# Altium PCB HAND_MULTILAYER.PcbDoc (part 1 of 3) (continued)
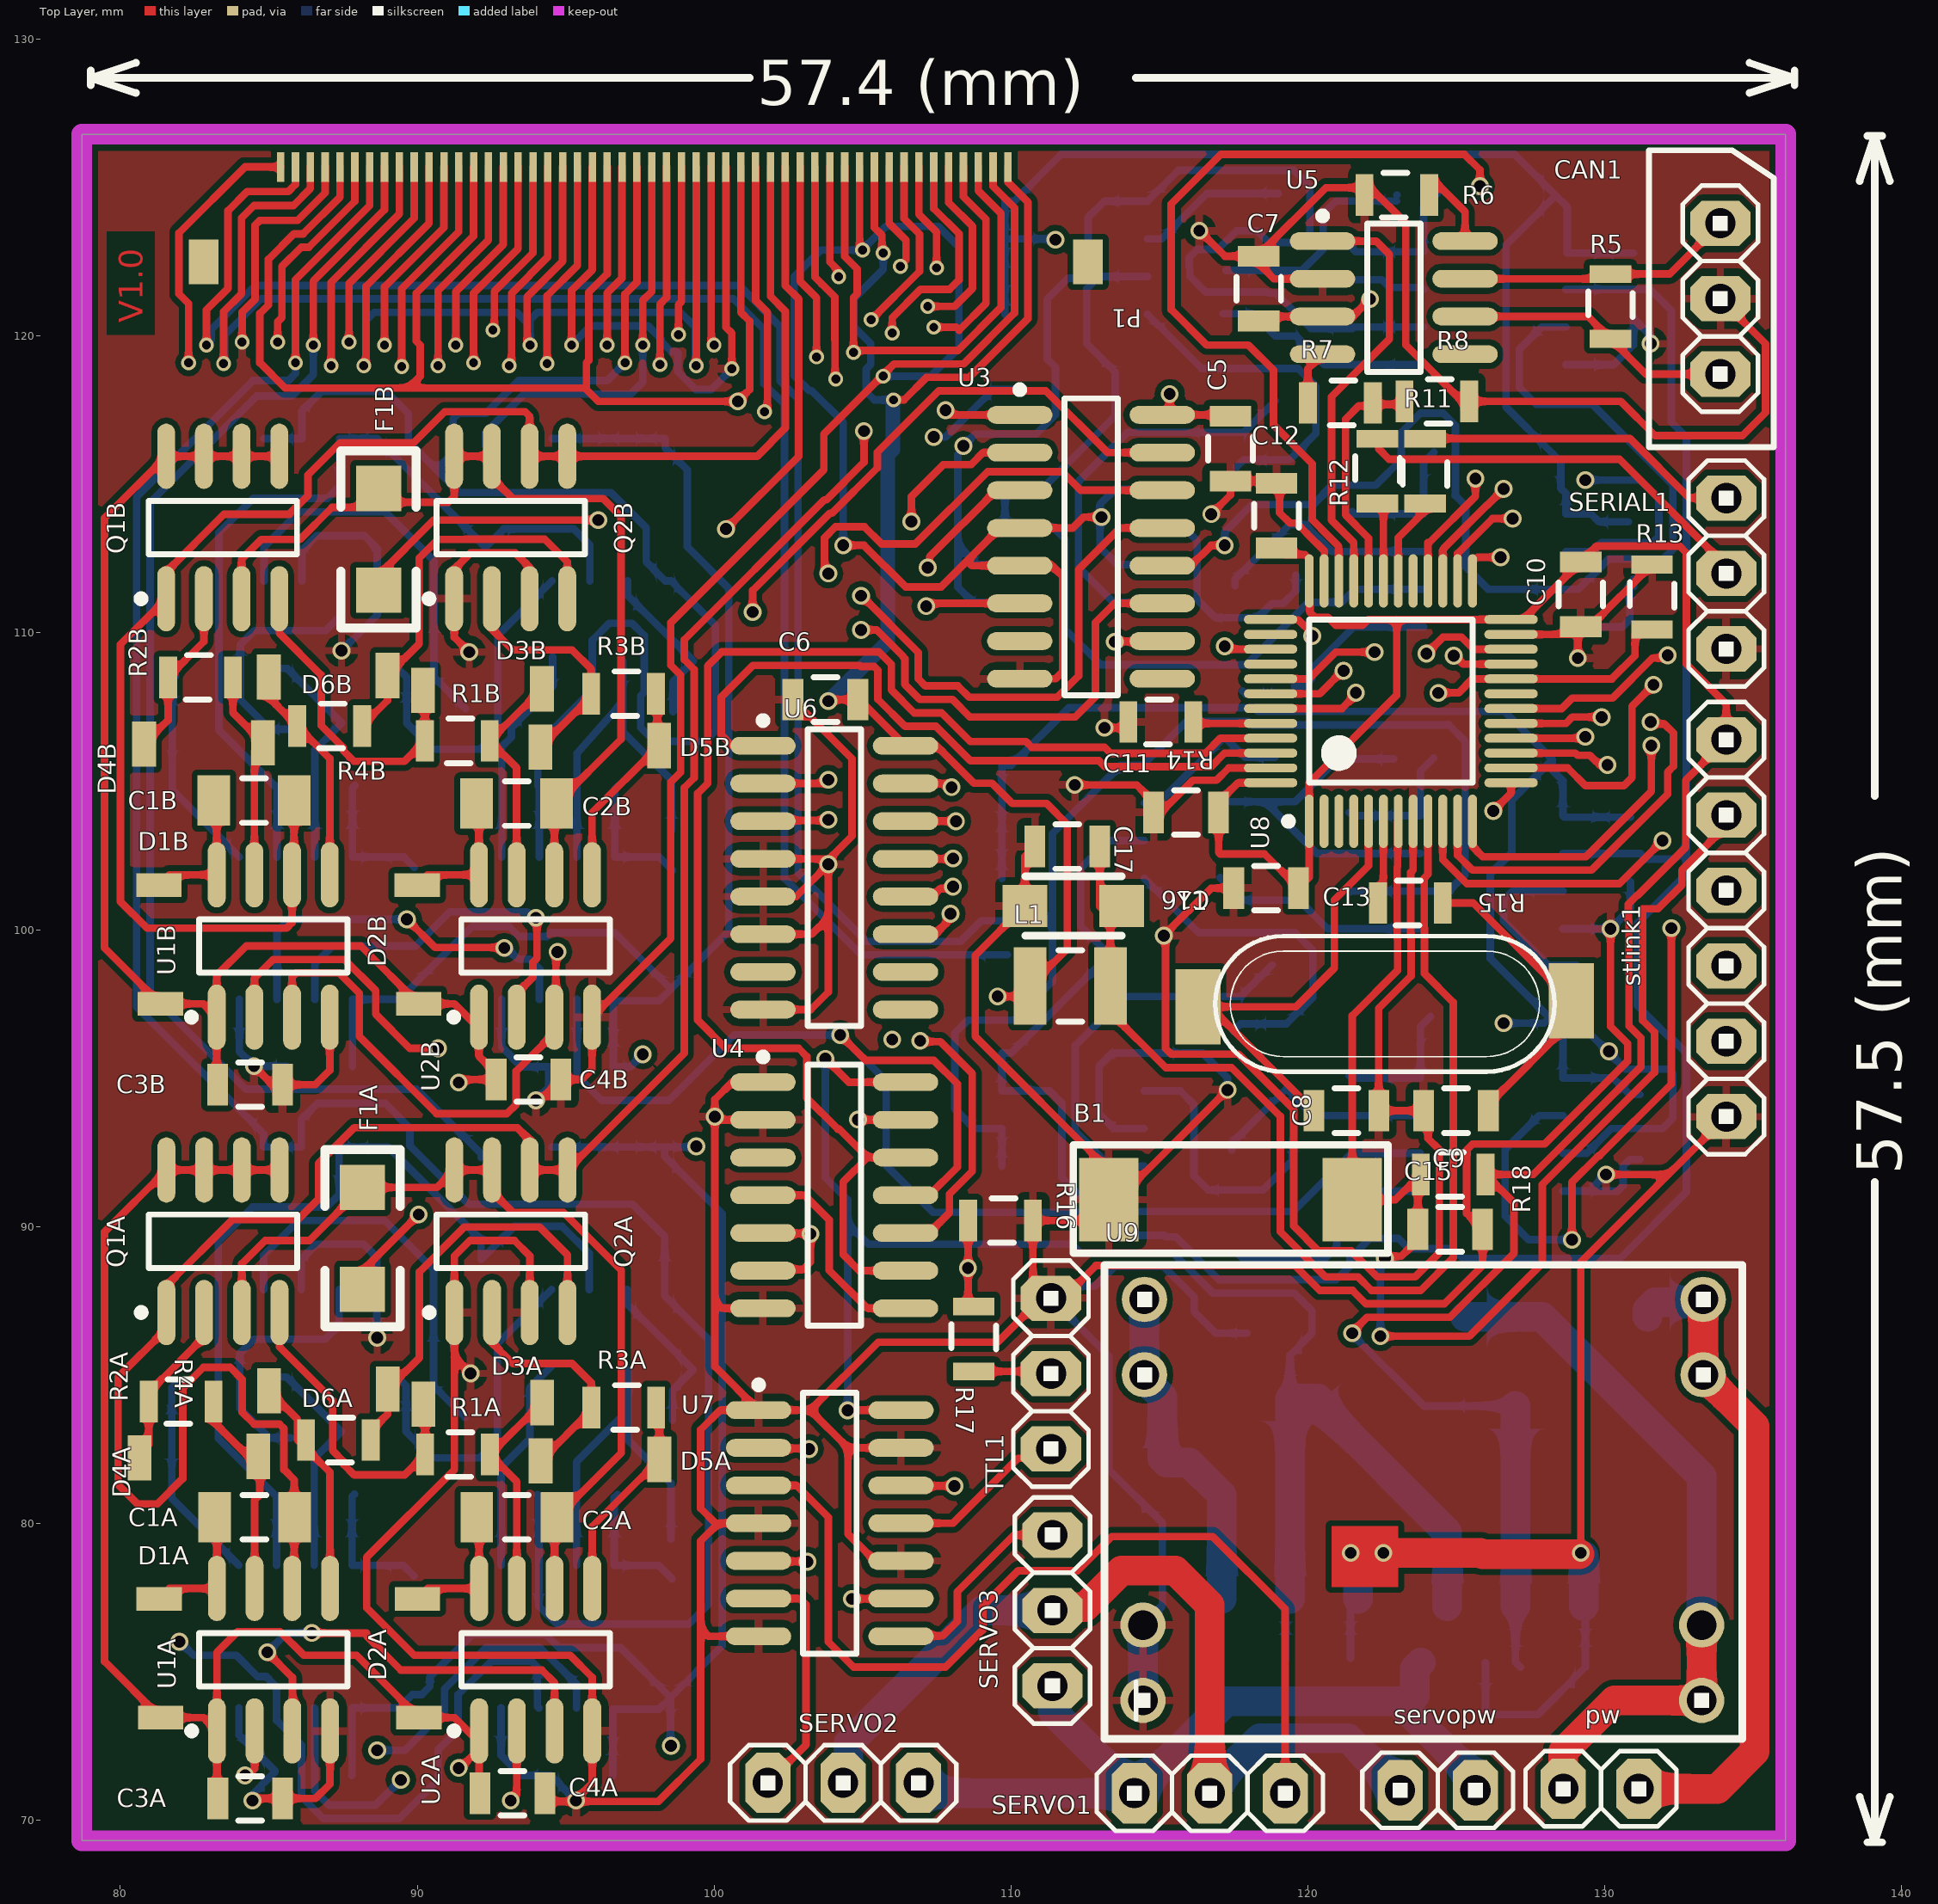
[diagram p0: Top Layer view]
## Footprints (in the part's own frame and the unit in brackets; to place one, negate y for a bottom-side part, rotate by r counter-clockwise, add the part's x,y. Pads: shape width x height; smd on the part's side, far side on the other; paste and mask are expansions set on the pad)
751A-02_N [mm] "SOIC, 14-Leads, Body 8.7x3.9mm, Pitch 1.27mm, IPC Medium Density"
  oval 2.2x0.6 smd: 1(-2.4,3.81) 2(-2.4,2.54) 3(-2.4,1.27) 4(-2.4,0) 5(-2.4,-1.27) 6(-2.4,-2.54) 7(-2.4,-3.81) 8(2.4,-3.81) 9(2.4,-2.54) 10(2.4,-1.27) 11(2.4,0) 12(2.4,1.27) 13(2.4,2.54) 14(2.4,3.81)
  silkscreen extent -2.52,-4.4 0.9,4.78, body extent -1.95,-4.33 1.95,4.33, height 1.75
751B-03_N [mm] "SOIC, 16-Leads, Body 9.9x3.9mm, Pitch 1.27mm, IPC Medium Density"
  oval 2.2x0.6 smd: 1(-2.4,4.445) 2(-2.4,3.175) 3(-2.4,1.905) 4(-2.4,0.635) 5(-2.4,-0.635) 6(-2.4,-1.905) 7(-2.4,-3.175) 8(-2.4,-4.445) 9(2.4,-4.445) 10(2.4,-3.175) 11(2.4,-1.905) 12(2.4,-0.635) 13(2.4,0.635) 14(2.4,1.905) 15(2.4,3.175) 16(2.4,4.445)
  silkscreen extent -2.52,-5 0.9,5.42, body extent -1.95,-4.95 1.95,4.95, height 1.75
FPC-50-POS-0.5-MM [mm]
  rect 1.5x1 smd: 0(3.2,5.2) 0(3.2,-24.6)
  rect 1x0.25 smd: 1(0,2.5) 2(0,2) 3(0,1.5) 4(0,1) 5(0,0.5) 6(0,0) 7(0,-0.5) 8(0,-1) 9(0,-1.5) 10(0,-2) 11(0,-2.5) 12(0,-3) 13(0,-3.5) 14(0,-4) 15(0,-4.5) 16(0,-5) 17(0,-5.5) 18(0,-6) 19(0,-6.5) 20(0,-7) 21(0,-7.5) 22(0,-8) 23(0,-8.5) 24(0,-9) 25(0,-9.5) 26(0,-10) 27(0,-10.5) 28(0,-11) 29(0,-11.5) 30(0,-12) 31(0,-12.5) 32(0,-13) 33(0,-13.5) 34(0,-14) 35(0,-14.5) 36(0,-15) 37(0,-15.5) 38(0,-16) 39(0,-16.5) 40(0,-17) 41(0,-17.5) 42(0,-18) 43(0,-18.5) 44(0,-19) 45(0,-19.5) 46(0,-20) 47(0,-20.5) 48(0,-21) 49(0,-21.5) 50(0,-22)
  body extent -0.1,-24.99 5.5,5.51, height 2
FUSE1206 [mil]
  rect 60x60 smd: 1(67.5,0) 2(-67.5,0)
  silkscreen extent -118,-50 117,50, body extent -67,-35 67,35, height 46
LQFP48_N [mm] "Thin QFP, 48-Leads, Body 7x7mm, Pitch 0.5mm, IPC Medium Density"
  oval 1.8x0.3 smd: 1(-4.05,2.75) 2(-4.05,2.25) 3(-4.05,1.75) 4(-4.05,1.25) 5(-4.05,0.75) 6(-4.05,0.25) 7(-4.05,-0.25) 8(-4.05,-0.75) 9(-4.05,-1.25) 10(-4.05,-1.75) 11(-4.05,-2.25) 12(-4.05,-2.75) 25(4.05,-2.75) 26(4.05,-2.25) 27(4.05,-1.75) 28(4.05,-1.25) 29(4.05,-0.75) 30(4.05,-0.25) 31(4.05,0.25) 32(4.05,0.75) 33(4.05,1.25) 34(4.05,1.75) 35(4.05,2.25) 36(4.05,2.75)
  oval 0.3x1.8 smd: 13(-2.75,-4.05) 14(-2.25,-4.05) 15(-1.75,-4.05) 16(-1.25,-4.05) 17(-0.75,-4.05) 18(-0.25,-4.05) 19(0.25,-4.05) 20(0.75,-4.05) 21(1.25,-4.05) 22(1.75,-4.05) 23(2.25,-4.05) 24(2.75,-4.05) 37(2.75,4.05) 38(2.25,4.05) 39(1.75,4.05) 40(1.25,4.05) 41(0.75,4.05) 42(0.25,4.05) 43(-0.25,4.05) 44(-0.75,4.05) 45(-1.25,4.05) 46(-1.75,4.05) 47(-2.25,4.05) 48(-2.75,4.05)
  silkscreen extent -4.17,-2.75 2.75,3.57, body extent -3.5,-3.5 3.5,3.5, height 1.6
mp1584 [mil]
  round 60 hole 39.37: 1(-369.5,266) 1(-369.5,166) 2(-371.5,-166) 2(-371.5,-266) 3(369.5,-166) 3(369.5,-266) 4(371.5,266) 4(371.5,166)
  silkscreen extent -423,-312 423,317, body extent -421,-312 421,318, height 94
My_1X02 [mil]
  oct 60x80 hole 40: 1(-100,0) 2(0,0)
  silkscreen extent -150,-50 50,50, body extent -149,-51 51,49, height 234
My_1X03 [mil]
  oct 60x80 hole 40: 1(-100,0) 2(0,0) 3(100,0)
  silkscreen extent -150,-50 150,50, body extent -152,-61 148,54, height 335
My_1X06 [mil]
  oct 60x80 hole 40: 1(-250,0) 2(-150,0) 3(-50,0) 4(50,0) 5(150,0) 6(250,0)
  silkscreen extent -300,-50 300,50, body extent -300,-51 300,49, height 234
MY_cap_smd10uf [mm]
  rect 1.5x1.42 smd: +(-1.63,0) -(1.63,0)
  silkscreen extent -1.63,-1 1.62,1, body extent -1.63,-1 1.57,0.9, height 1.9
MY_CAP_SMD-C [mm] "3.5X6"
  rect 1.5x3 smd: +(-2.8,0.1) -(3.35,0.1)
  silkscreen extent -2.75,-1.65 3.3,1.85, body extent -2.6,-1.5 3.2,1.7, height 2.6
MY_CAP_SMD_0805 [mm]
  rect 0.7x1.4 smd: 1(-1.092,0) 2(1.092,0)
  silkscreen extent -0.4,-0.75 0.4,0.75, body extent -1,-0.62 1,0.63, height 0.78
MY_CAP_SMD_1206 [mm]
  rect 1.1x1.7 smd: 1(-1.35,0) 2(1.35,0)
  silkscreen extent -0.4,-0.75 0.4,0.75, body extent -1.52,-0.76 1.68,0.84, height 1.2
"My_Crystal - SMD" [mm]
  rect 1.524x2.54 smd: 1(-6.275,-0.1) 2(6.3,0.1)
  silkscreen extent -5.71,-2.29 5.71,2.29, body extent -6.28,-2.5 6.22,2.3, height 3.92
MY_DIOD1N5822_SMD [mm]
  rect 0.8x1.524 smd: A(-2.05,0) K(1.95,0.05)
  body extent -1.9,-0.8 1.8,0.8, height 1.27
MY_LD1117-3.3 [mm]
  rect 1.1x1.55 smd: 1(-2.3,-3.502) 2(0,-3.502) 3(2.3,-3.502)
  rect 3.45x1.55 smd: 4(0,3.248)
  silkscreen extent -3.35,-4.95 3.35,1.72, body extent -3.3,-3.85 3.2,3.05, height 1.6
MY_PINGERD3 [mil]
  oct 60x80 hole 40: 1(-100,0) 2(0,0) 3(100,0)
  silkscreen extent -197,-71 197,94, body extent -198,-71 198,95, height 243
MY_RES_SMD_0805 [mm]
  rect 0.6x1.4 smd: 1(-1.092,0) 2(1.092,0)
  silkscreen extent -0.5,-0.75 0.35,0.75, body extent -1,-0.62 1,0.63, height 0.78
MY_SMD_INDUCTOR [mm]
  rect 1.1x2.6 smd: 1(-1.35,0) 2(1.35,0)
  silkscreen extent -0.4,-1.2 0.4,1.2, body extent -1.5,-0.96 1.7,0.7, height 0.53
"SMD PUSH BUTTON" [mm]
  rect 2x2.8 smd: 1(-4.2,0) 2(4,0)
  silkscreen extent -5.4,-1.8 5.2,1.85, body extent -3.6,-1.8 3.6,1.7, height 5
SO14_N [mm] "SOIC, 14-Leads, Body 8.7x3.9mm, Pitch 1.27mm, IPC Medium Density"
  oval 2.2x0.6 smd: 1(-2.4,3.81) 2(-2.4,2.54) 3(-2.4,1.27) 4(-2.4,0) 5(-2.4,-1.27) 6(-2.4,-2.54) 7(-2.4,-3.81) 8(2.4,-3.81) 9(2.4,-2.54) 10(2.4,-1.27) 11(2.4,0) 12(2.4,1.27) 13(2.4,2.54) 14(2.4,3.81)
  silkscreen extent -2.52,-4.4 0.9,4.78, body extent -1.95,-4.33 1.95,4.33, height 1.75
SO16_N [mm] "SOIC, 16-Leads, Body 9.9x3.9mm, Pitch 1.27mm, IPC Medium Density"
  oval 2.2x0.6 smd: 1(-2.4,4.445) 2(-2.4,3.175) 3(-2.4,1.905) 4(-2.4,0.635) 5(-2.4,-0.635) 6(-2.4,-1.905) 7(-2.4,-3.175) 8(-2.4,-4.445) 9(2.4,-4.445) 10(2.4,-3.175) 11(2.4,-1.905) 12(2.4,-0.635) 13(2.4,0.635) 14(2.4,1.905) 15(2.4,3.175) 16(2.4,4.445)
  silkscreen extent -2.52,-5 0.9,5.42, body extent -1.95,-4.95 1.95,4.95, height 1.75
SO-8_N [mm] "SOIC, 8-Leads, Body 4.9x3.9mm, Pitch 1.27mm, IPC Medium Density"
  oval 2.2x0.6 smd: 1(-2.4,1.905) 2(-2.4,0.635) 3(-2.4,-0.635) 4(-2.4,-1.905) 5(2.4,-1.905) 6(2.4,-0.635) 7(2.4,0.635) 8(2.4,1.905)
  silkscreen extent -2.52,-2.5 0.9,2.88, body extent -1.95,-2.45 1.95,2.45, height 1.75
SOIC-SN8_N [mm] "SOIC, 8-Leads, Body 4.9x3.8mm, Pitch 1.27mm, IPC Medium Density"
  oval 2.2x0.6 smd: 1(-2.4,1.905) 2(-2.4,0.635) 3(-2.4,-0.635) 4(-2.4,-1.905) 5(2.4,-1.905) 6(2.4,-0.635) 7(2.4,0.635) 8(2.4,1.905)
  silkscreen extent -2.52,-2.5 0.9,2.88, body extent -2,-2.5 2,2.5, height 1.75

## Part data
B1: library part SMD_PUSH_BUTTON
C1A C1B C1C C1D C1E C1F C2A C2B C2C C2D C2E C2F: library part "CAP SMD_1206", "3.2 mm × 1.6 mm"
C3A C3B C3C C3D C3E C3F C4A C4B C4C C4D C4E C4F C7 C14: library part "CAP SMD_0805", "2.0 mm × 1.25 mm"
C5 C6 C8 C9 C10 C11 C12 C13 C15 C17 C18 C19 C21: library part "CAP SMD"
C16: library part cap_smd_10u
C20: library part CAP_TANTAL_C, "6X3.2MM"
CAN1: "3pin"
D1A D1B D1C D1D D1E D1F D2A D2B D2C D2D D2E D2F D3A D3B D3C D3D D3E D3F D4A D4B D4C D4D D4E D4F D5A D5B D5C D5D D5E D5F D6A D6B D6C D6D D6E D6F: library part 1N5822-smd-5*2mm
L1: library part "INDUCTOR SMD"
P1: library part FPC-50-POS-0.5-MM
pw servopw: "Header, 2-Pin", LatestRevisionDate=17-Jul-2002, LatestRevisionNote="Re-released for DXP Platform.", Publisher="Altium Limited"
Q1A Q1B Q1C Q1D Q1E Q1F Q2A Q2B Q2C Q2D Q2E Q2F: "HEXFET Power MOSFET", Code_IPC=SOIC127P600-8, Code_JEDEC=MS-012-AA, ComponentLink1Description="Manufacturer Link", ComponentLink1URL=http://www.irf.com/, ComponentLink2Description=Datasheet, ComponentLink2URL=http://www.irf.com/product-info/datasheets/data/irf7303.pdf, DatasheetVersion=Aug-1997, LatestRevisionDate=13-Apr-2006, LatestRevisionNote="IPC-7351 Footprint Added.", PackageDescription="8-Pin Plastic Small Outline Integrated Circuit 1.27 mm Pitch", PackageReference=SO-8, PackageVersion=Feb-2001, Published=8-Jun-2000, Publisher="Altium Limited"
R1A R1B R1C R1D R1E R1F R2A R2B R2C R2D R2E R2F R3A R3B R3C R3D R3E R3F R4A R4B R4C R4D R4E R4F R5 R6 R7 R8 R11 R12 R16 R17: library part "RES SMD 0805"
R9 R13 R14 R15 R18: library part "RES SMD"
REG2: library part "LD1117 3.3"
SERIAL1 SERVO1 SERVO2 SERVO3 TTL1: "Header, 3-Pin", LatestRevisionDate=17-Jul-2002, LatestRevisionNote="Re-released for DXP Platform.", Publisher="Altium Limited"
  SERVO1: LINK=https://www.digikey.ca/en/products/detail/molex/0099990987/2405394
stlink1: "Header, 6-Pin", LatestRevisionDate=17-Jul-2002, LatestRevisionNote="Re-released for DXP Platform.", Publisher="Altium Limited"
U1A U1B U1C U1D U1E U1F U2A U2B U2C U2D U2E U2F: "High and Low Side Driver", Code_IPC=SOIC127P600-8, Code_JEDEC=MS-012-AA, ComponentLink1Description="Manufacturer Link", ComponentLink1URL=http://www.irf.com/, ComponentLink2Description=Datasheet, ComponentLink2URL=http://www.irf.com/product-info/datasheets/data/ir2104.pdf, DatasheetVersion=PD600461, LatestRevisionDate=13-Apr-2006, LatestRevisionNote="IPC-7351 Footprint Added.", PackageDescription="8-Pin Plastic Small Outline Integrated Circuit 1.27 mm Pitch", PackageReference=SO-8, PackageVersion=Feb-2001, Published=8-Jun-2000, Publisher="Altium Limited"
U3: "3-to-8 Line Decoder", Code_IPC=SOIC127P600-16, ComponentLink1Description="Manufacturer Link", ComponentLink1URL=http://www.st.com/, ComponentLink2Description=Datasheet, ComponentLink2URL=http://www.st.com/stonline/products/literature/ds/1926/m74hc238.pdf, DatasheetVersion=Oct-1993, LatestRevisionDate=13-Apr-2006, LatestRevisionNote="IPC-7351 Footprint Added.", PackageDescription="16-Pin Small Outline Integrated Circuit 1.27 mm Pitch", PackageReference=SO16, PackageVersion=May-1998, Published=8-Jun-2000, Publisher="Altium Limited"
U4: "Quad 2-Input NOR Gate", Code_IPC=SOIC127P600-14, ComponentLink1Description="Manufacturer Link", ComponentLink1URL=http://www.st.com/, ComponentLink2Description=Datasheet, ComponentLink2URL=http://www.st.com/stonline/products/literature/ds/8098/hcf4001.pdf, DatasheetVersion=Sep-1988, LatestRevisionDate=13-Apr-2006, LatestRevisionNote="IPC-7351 Footprint Added.", PackageDescription="14-Pin Small Outline Integrated Circuit 1.27 mm Pitch", PackageReference=SO14, PackageVersion=Sep-1998, Published=8-Jun-2000, Publisher="Altium Limited"
U5: "High-Speed CAN Transceiver, 8-Pin SOIC, Industrial Temperature", Code_IPC=SOIC127P600-8, Code_JEDEC=MS-012, ComponentLink1Description="Manufacturer Link", ComponentLink1URL=http://www.microchip.com, ComponentLink2Description=Datasheet, ComponentLink2URL=http://ww1.microchip.com/downloads/en/DeviceDoc/21667E.pdf, ComponentLink3Description="Packaging Specification", ComponentLink3URL=http://ww1.microchip.com/downloads/en/PackagingSpec/00049AW.pdf, DatasheetVersion="revE, Jan-2007", PackageDescription="8-Lead Plastic Small Outline (SN) - Narrow, 3.90mm Body [SOIC]", PackageReference=SOIC-SN8, PackageVersion="revAW, Oct-2008", Published=29-Jan-2009, Publisher="Altium Limited"
U6: "1-of-8 Decoder/Demultiplexer", Code_IPC=SOIC127P600-16, Code_JEDEC=MS-012-AC, ComponentLink1Description="Manufacturer Link", ComponentLink1URL=http://www.onsemi.com/site/products/parametrics/0,4446,419,00.html, ComponentLink2Description=Datasheet, ComponentLink2URL=http://www.onsemi.com/pub/Collateral/MC74HC138A-D.PDF, DatasheetVersion=1989, LatestRevisionDate=13-Apr-2006, LatestRevisionNote="IPC-7351 Footprint Added.", PackageDescription="16-Pin Small Outline Integrated Circuit 1.27 mm Pitch", PackageReference=751B-03, PackageVersion=1991, Published=17-Jul-2002, Publisher="Altium Limited"
U7: "Quad 3-State Non-Inverting Buffer", Code_IPC=SOIC127P600-14, ComponentLink1Description="Manufacturer Link", ComponentLink1URL=http://www.onsemi.com/site/products/parametrics/0,4446,178,00.html, DatasheetVersion=1989, LatestRevisionDate=13-Apr-2006, LatestRevisionNote="IPC-7351 Footprint Added.", PackageDescription="14-Pin Small Outline Integrated Circuit 1.27 mm Pitch", PackageReference=751A-02, PackageVersion=1991, Published=17-Jul-2002, Publisher="Altium Limited"
U8: "STM32 ARM-based 32-bit MCU with 64 Kbytes Flash, 48-pin LQFP, Industrial Temperature", ComponentLink1Description="Manufacturer Link", ComponentLink1URL=www.st.com/stm32, ComponentLink2Description=Datasheet, ComponentLink2URL=http://www.st.com/stonline/products/literature/ds/13587.pdf, DatasheetVersion="rev6, Mar-2008", LINK=https://www.digikey.ca/en/products/detail/stmicroelectronics/stm32f103c8t6/1646338, PackageDescription="48-Pin Low-Profile Quad Flat Pack, 7 x 7 mm Body, 0.5 mm Pitch (LQFP48)", PackageReference=LQFP48, PackageVersion=Mar-2008, Published=30-May-2008, Publisher="Altium Limited"
U9: "SWITCHING REGULATOR MODULE", PACKAGE="8-SOIC (0.154\", 3.90mm Width) Exposed Pad", LINK=https://www.digikey.ca/en/products/detail/monolithic-power-systems-inc/MP1584EN-LF-Z/5291742, PART=MP1584EN-LF-Z
Y1: library part CRYSTAL, "Crystal"

## Via types
v1: diameter 0.6, hole 0.4, Top Layer to Bottom Layer, tented both sides, 113 vias
v2: diameter 0.5, hole 0.3, Top Layer to Bottom Layer, tented both sides, 43 vias

## Nets (pads, with @x,y where several pads share a name; then routed paths per layer and width w, separated by ;. In a path a pad name is that pad's centre, name@x,y a point inside that pad or via, vN(x,y) a via of type N, cw(c..) or ccw(c..) an arc to the next point about the centre after c; other vN are vias at no path point)
+3.3: C6.2 C10.2 C11.2 C12.2 C13.2 C18.2 L1.1 P1.1 P1.10 P1.19 P1.28 P1.37 P1.46 R18.2 REG1.2 REG1.4 stlink1.6 U6.16 U8.1 U8.24 U8.36 U8.48 | length 242.2
  Top Layer w0.254: P1.46@87.4,125.7 87.4,124.686 86.16,123.446 85.846,123.446 84.989,122.589 84.989,121.05 84.7,120.761 84.7,119.1 85.55,118.25 89.7,118.25 ; P1.37@91.9,125.7 91.9,123.374 89.971,121.445 89.971,119.829 90.1,119.7 90.1,118.65 89.7,118.25 ; P1.28@96.4,125.7 96.4,122.095 95.777,121.472 95.777,119.177 95.7,119.1 95.7,118.3 95.65,118.25 ; P1.19@100.9,125.7 100.9,120.8 101.2,120.5 101.2,118.2 v1(100.8,117.8) 96.1,117.8 95.65,118.25 ; v1(103.85,107.7) 103.9,107.75 C6.2@104.842,107.75 ; C6.2@104.819,107.826 U6.16@106.45,106.195 107.495,106.195 108.756,104.934 109.366,104.934 110.05,104.25 111.2,104.25 111.9,103.55 111.9,99.35 L1.1@110.65,98.1 110.3,97.75 v1(109.55,97.75) ; P1.10@105.4,125.7 105.4,123.658 105.653,123.405 105.653,122.847 v2(105.7,122.8) ; v2(106.05,117.85) 106.4,117.85 107.158,118.608 108.592,118.608 110.577,120.592 110.577,124.508 109.9,125.184 P1.1@109.9,125.7 ; U8.48@118.75,104.95 117.65,104.95 117,104.3 117,102.6 117.05,102.55 118.542,102.55 C13.2@119.692,101.4 120.05,101.758 U8.1@120.05,103.65 120.05,104.95 123,107.9 123,110.45 ; C12.2@119.05,112.858 119.273,112.635 119.903,112.635 120.05,112.488 U8.36@120.05,111.75 120.059,111.741 120.059,110.959 120.073,110.944 120.073,110.694 120.244,110.523 120.677,110.523 120.95,110.25 121.842,110.25 122.042,110.45 123,110.45 ; v1(121.5,86.4) 121.5,86.438 122,86.938 124.788,86.938 126.95,89.1 126.95,90.792 R18.2@125.992,91.75 127.6,91.75 131.231,95.381 131.231,96.348 130.825,96.754 130.825,100.288 130.8,100.313 130.8,100.865 131.089,101.154 131.112,101.154 132.735,102.777 132.735,105.035 stlink1.6@134.1,106.4 134.1,107.601 132.757,108.944 132.757,112.693 132.523,112.927 129.735,112.927 C10.2@129.2,112.392 127.258,110.45 U8.24@126.85,110.45 123,110.45 ; 89.7,118.25 95.65,118.25
  POWER w0.6: v1(109.55,97.75) 111.4,95.9 122.8,95.9 125.35,98.45 126.2,98.45 128.85,95.8 128.85,94.85 134.8,88.9 134.8,83.6 132.85,81.65 125.9,81.65 121.5,86.05 v1(121.5,86.4)
  GND w0.254: v1(100.8,117.8) 101.25,118.25 102.6,118.25 103.35,117.5 105.7,117.5 v2(106.05,117.85)
  Bottom Layer w0.254: v2(105.7,122.8) 105.7,122.25 104.715,121.265 104.715,120.311 105.277,119.749 105.277,119.043 105.123,118.889 105.123,118.127 105.4,117.85 v2(106.05,117.85) ; v1(121.5,86.4) 121.5,86.363 123.913,83.95 REG1.4@127,83.95 ; REG1.2@127,77.2 127,75.316 C18.2@127.166,75.15
  Bottom Layer w0.5: v1(103.85,107.7) 105.85,109.7 105.85,116 106.023,116.173 106.023,117.823 v2(106.05,117.85)
  Bottom Layer w1: REG1.2@127,77.2 REG1.4@127,83.95
+7: C19.2 REG2.3 U9.3 | length 12
  Bottom Layer w0.254: REG2.3@117.1,77.05 REG2.3@117.1,77.448
  Bottom Layer w1: U9.3@114.5,87.54 U9.3@114.5,85 114.5,84.858 115.1,84.258 C19.2@115.1,82.192 115.25,82.042 116.008,82.042 117.1,80.95 REG2.3@117.1,77.448
ADC0: P1.9 U8.10 | length 65.7
  Top Layer w0.254: P1.9@105.9,125.7 105.9,123.8 106.469,123.231 106.469,122.569 106.277,122.377 v2(106.277,122.351) ; U8.10@124.55,103.65 124.55,102.362 125.362,101.55 130.5,101.55 v1(131.95,103)
  GND w0.254: v2(106.277,122.351) 104.895,120.969 103.773,120.969 102.942,121.799 102.942,123.526 103.974,124.558 122.942,124.558 130.95,116.55 130.95,107.924 131.249,107.625 131.81,107.625 131.812,107.623 132.051,107.623 132.2,107.474 132.2,103.35 132.016,103.166 132.016,103.066 v1(131.95,103)
ADC1: P1.18 U8.11 | length 66.5
  Top Layer w0.254: P1.18@101.4,125.7 101.4,121.2 101.8,120.8 101.8,117.55 v2(101.7,117.45) ; U8.11@125.05,103.65 125.05,102.505 125.55,102.004 129.562,102.004 132.123,104.565 132.123,105.31 132.322,105.508 132.322,106.625 132.015,106.932 131.616,106.932 v1(131.55,106.998)
  GND w0.254: v2(101.7,117.45) 102.7,117.45 103.977,116.173 105.444,116.173 106.669,117.398 106.669,118.148 107.271,118.75 125.376,118.75 128.269,115.857 128.269,111.7 127.454,110.885 127.454,106.867 129.398,104.923 130.36,104.923 130.823,105.386 130.823,106.335 131.486,106.998 v1(131.55,106.998)
ADC2: P1.27 U8.12 | length 70.2
  Top Layer w0.254: v2(96.4,119.7) 96.4,121.453 96.9,121.953 P1.27@96.9,125.7 ; U8.12@125.55,103.65 125.55,102.8 125.892,102.458 129.374,102.458 131.573,104.657 v1(131.573,106.199)
  GND w0.254: v2(96.4,119.7) 96.4,117.05 97.661,115.789 101.274,115.789 101.344,115.719 105.632,115.719 107.123,117.21 107.123,117.96 107.459,118.296 110.146,118.296 111.088,117.354 126.13,117.354 127.815,115.669 127.815,112.015 127,111.2 127,105.963 128.948,104.015 131.015,104.015 131.669,104.669 131.669,105.339 131.573,105.435 v1(131.573,106.199)
ADC3: P1.36 U8.13 | length 60.1
  Top Layer w0.254: v2(90.7,119) 90.7,121.532 92.4,123.232 P1.36@92.4,125.7 ; v1(126.25,104) 126.85,104.6 U8.13@126.85,104.95
  GND w0.254: v2(90.7,119) 90.7,118.25 93.35,115.6 95.2,115.6 96.443,114.357 100.78,114.357 101.287,113.85 104.663,113.85 106.94,111.573 107.823,111.573 110.996,114.746 123.418,114.746 124.986,113.177 126.873,113.177 127.35,112.7 127.35,112.2 126.25,111.1 v1(126.25,104)
ADC4: P1.45 U8.14 | length 77.5
  Top Layer w0.254: v2(85.3,119.8) 85.3,120.484 85.446,120.63 85.446,122.346 86.092,122.992 86.348,122.992 87.9,124.544 P1.45@87.9,125.7 ; U8.14@126.85,105.45 128.758,105.45 129.358,104.85 130.65,104.85 130.923,105.123 130.923,107.523 131.65,108.25 v1(131.65,108.252)
  GND w0.254: v2(85.3,119.8) 85.3,123.2 87.15,125.05 123.5,125.05 131.496,117.054 131.496,108.99 131.584,108.902 131.584,108.318 v1(131.65,108.252)
ADC5: P1.50 U8.18 | length 81.7
  Top Layer w0.254: v2(82.3,119.1) 82.3,121.096 81.973,121.423 81.973,123.473 84.2,125.7 P1.50@85.4,125.7 ; U8.18@126.85,107.45 128.558,107.45 128.912,107.804 130.267,107.804 131.613,109.15 131.976,109.15 132.072,109.246 v1(132.127,109.246)
  GND w0.254: v2(82.3,119.1) 82.3,123.55 84.45,125.7 123.85,125.7 132.165,117.385 132.165,109.284 v1(132.127,109.246)
BMP_CS0: P1.6 U6.15 | length 27.3
  Top Layer w0.254: v2(106,120.1) 106,120.616 106.961,121.577 107.935,121.577 108.254,121.896 108.254,123.446 107.4,124.3 P1.6@107.4,125.7 ; U6.15@106.45,104.925 108.075,104.925 108.1,104.9 v1(108,104.8)
  POWER w0.254: v2(106,120.1) 106,119.45 107.123,118.327 108.01,118.327 109.643,116.694 109.643,107.343 108.5,106.2 108.5,105.3 v1(108,104.8)
BMP_CS1: P1.15 U6.14 | length 29.1
  Top Layer w0.254: P1.15@102.9,125.7 102.9,121.841 103.454,121.287 v2(103.454,119.296) ; U6.14@106.45,103.655 108.145,103.655 v1(108.15,103.65)
  POWER w0.254: v2(103.454,119.296) 103.454,116.95 104.504,115.9 107.313,115.9 109.189,114.024 109.189,107.531 107.373,105.715 107.373,104.427 v1(108.15,103.65)
BMP_CS2: P1.24 U6.13 | length 33.7
  Top Layer w0.254: v2(98.177,119.041) 98.177,121.077 98.4,121.3 P1.24@98.4,125.7 ; U6.13@106.45,102.385 108.035,102.385 v1(108.05,102.4)
  POWER w0.254: v2(98.177,119.041) 98.259,119.041 101.854,115.446 107.125,115.446 108.735,113.836 108.735,107.719 106.919,105.903 106.919,103.531 v1(108.05,102.4)
BMP_CS3: P1.33 U6.12 | length 40.9
  Top Layer w0.254: v2(92.55,120.2) 92.6,120.25 92.6,121.505 93.9,122.806 P1.33@93.9,125.7 ; U6.12@106.45,101.115 107.344,101.115 107.612,101.384 107.984,101.384 v1(108.05,101.45)
  POWER w0.254: v2(92.55,120.2) 92.477,120.127 92.477,118.673 92.746,118.404 98.254,118.404 101.808,114.85 107.079,114.85 108.281,113.648 108.281,107.931 106.407,106.057 106.407,103.157 108.05,101.514 v1(108.05,101.45)
BMP_CS4: P1.42 U6.11 | length 47.1
  Top Layer w0.254: v2(87.1,119) 87.1,121.816 89.4,124.116 P1.42@89.4,125.7 ; U6.11@106.45,99.845 107.445,99.845 107.897,100.297 107.897,100.471 v1(107.963,100.537)
  POWER w0.254: v2(87.1,119) 88.15,117.95 98.066,117.95 101.62,114.396 106.891,114.396 107.827,113.46 107.827,108.119 105.953,106.245 105.953,102.547 v1(107.963,100.537)
BOOT0: R14.2 U8.44 | length 2.7
  Top Layer w0.254: R14.2@116.15,106.8 116.3,106.95 U8.44@118.75,106.95
BRIDGE_VDDA: C3A.2 C3B.2 C3C.2 C3D.2 C3E.2 C3F.2 C4A.2 C4B.2 C4C.2 C4D.2 C4E.2 C4F.2 C20.+ D1A.A D1B.A D1C.A D1D.A D1E.A D1F.A D2A.A D2B.A D2C.A D2D.A D2E.A D2F.A pw.1 Q1A.5 Q1A.6 Q1A.7 Q1A.8 Q1B.5 Q1B.6 Q1B.7 Q1B.8 Q1C.5 Q1C.6 Q1C.7 Q1C.8 Q1D.5 Q1D.6 Q1D.7 Q1D.8 Q1E.5 Q1E.6 Q1E.7 Q1E.8 Q1F.5 Q1F.6 Q1F.7 Q1F.8 U1A.1 U1B.1 U1C.1 U1D.1 U1E.1 U1F.1 U2A.1 U2B.1 U2C.1 U2D.1 U2E.1 U2F.1 U9.2 | length 467.4
  Top Layer w0.254: C3B.2@83.276,94.775 83.245,94.806 U1B.1@83.245,97.05 ; C3A.2@83.283,70.725 83.252,70.756 U1A.1@83.252,73 ; Q1B.5@85.355,115.95 Q1B.6@84.085,115.95 Q1B.7@82.815,115.95 Q1B.8@81.545,115.95 79.468,113.873 79.468,99.382 D1B.A@81.35,97.5 82.795,97.5 U1B.1@83.245,97.05 ; Q1A.5@85.362,91.9 Q1A.6@84.092,91.9 Q1A.7@82.822,91.9 Q1A.8@81.552,91.9 79.469,89.817 79.469,75.338 D1A.A@81.357,73.45 82.802,73.45 U1A.1@83.252,73 ; v1(91.4,71.75) 91.45,71.75 U2A.1@92.083,72.383 ; v1(91.4,94.85) 91.5,94.95 C4B.2@92.658,94.95 ; U2B.1@92.076,96.675 91.251,97.5 D2B.A@90.05,97.5 88.1,99.45 84.243,99.45 83.245,98.452 U1B.1@83.245,97.05 ; U2B.1@92.08,97.05 92.08,95.736 C4B.2@92.762,95.054 ; C4A.2@92.083,70.625 U2A.1@92.083,72.383 ; U2A.1@92.083,72.625 91.258,73.45 D2A.A@90.057,73.45 87.957,75.55 86.178,75.55 85.378,76.35 83.95,76.35 83.252,75.652 U1A.1@83.252,73 ; U2A.1@92.087,73 92.087,72.387 U2A.1@92.083,72.383
  Top Layer w1: pw.1@131.15,71.05 133.8,71.05 135.05,72.3 135.05,83.271 U9.2@133.321,85 U9.2@133.321,87.54
  POWER w0.254: v1(91.4,71.75) 92.15,72.5 v1(98.55,72.5) ; v1(91.4,94.85) 91.85,94.4 91.85,94 ; v1(99.4,92.7) 100.95,91.15 128.187,91.15 131.797,87.54 ; v1(111.5,123.25) 110.551,122.301 110.551,106.967 110.55,106.966 110.55,101.595 108.324,99.369 107.719,99.369 105.373,97.023 105.373,94.627 107.7,92.3 127.65,92.3 132.41,87.54 ; v1(126.6,96.85) 126.6,94.261 U9.2@133.321,87.54
  POWER w1: v1(97.6,95.8) 93.65,95.8 91.85,94 88.5,90.65 88.5,89.45 89.7,88.25 105,88.25 107,90.25 124.5,90.25 127.21,87.54 131.797,87.54 132.41,87.54 U9.2@133.321,87.54
  Bottom Layer w0.254: 87.792,71.5 87.803,71.511 U2E.1@87.803,73.775 89.383,73.775 D2E.A@89.833,74.225 90.156,74.225 90.429,74.498 90.429,74.821 91.862,76.254 92.242,76.254 94.331,76.254 94.785,75.8 96.858,75.8 D1E.A@98.533,74.125 ; C4C.2@87.82,95.386 U2C.1@87.82,97.65 89.4,97.65 D2C.A@89.85,98.1 91.85,100.1 93.1,100.1 93.431,99.769 94.359,99.769 94.49,99.9 96.65,99.9 D1C.A@98.55,98 ; Q1E.5@94.528,92.675 Q1E.6@95.798,92.675 Q1E.7@97.068,92.675 Q1E.8@98.338,92.675 ; Q1C.5@94.545,116.55 Q1C.6@95.815,116.55 Q1C.7@97.085,116.55 Q1C.8@98.355,116.55 98.355,116.237 99.1,115.492 99.1,112.9 100.5,111.5 100.5,99.95 D1C.A@98.55,98 ; C3E.2@96.592,71.5 96.592,73.729 98.137,73.729 D1E.A@98.533,74.125 ; v1(97.6,95.8) 97.175,95.375 C3C.2@96.609,95.375 96.609,97.604 98.154,97.604 D1C.A@98.55,98 ; v1(98.55,72.5) 98.533,72.517 D1E.A@98.533,74.125 ; v1(99.4,92.7) 99.375,92.675 Q1E.8@98.338,92.675 ; Q1F.5@109.695,101.728 Q1F.6@109.695,102.998 Q1F.7@109.695,104.268 Q1F.8@109.695,105.538 110.008,105.538 111.943,107.473 118.193,107.473 118.317,107.35 126.628,107.35 D1F.A@128.245,105.733 ; Q1D.5@109.8,120.735 Q1D.6@109.8,122.005 Q1D.7@109.8,123.275 ; v1(111.5,123.25) 111.475,123.275 Q1D.7@109.8,123.275 ; v1(126.6,96.85) 127.962,96.85 D2F.A@128.145,97.033 ; U1F.1@128.595,103.838 128.595,105.021 128.245,105.371 D1F.A@128.245,105.733 ; U1F.1@128.641,103.792 C3F.2@130.87,103.792 ; C4D.2@130.8,113.742 129.809,113.742 129.541,114.01 U2D.1@128.7,114.01 128.7,114.699 128.523,114.876 128.523,115.767 D2D.A@128.25,116.04 126.675,117.615 126.675,123.065 D1D.A@128.35,124.74 ; C3D.2@130.975,122.799 128.746,122.799 128.746,124.344 D1D.A@128.35,124.74 ; C4F.2@131.2,94.442 130.85,94.442 130.289,95.003 U2F.1@128.595,95.003 128.595,96.583 D2F.A@128.145,97.033 ; Q1E.8@98.338,92.675 98.338,92.362 100.273,90.427 100.273,75.865 D1E.A@98.533,74.125 ; Q1D.7@109.8,123.275 Q1D.8@109.8,124.545 110.113,124.545 111.691,126.123 126.967,126.123 D1D.A@128.35,124.74 ; D2F.A@128.145,97.033 126.146,99.032 126.146,101.873 126.877,102.604 126.877,104.365 D1F.A@128.245,105.733
  Bottom Layer w1: C20.+@131.45,86.95 131.45,87.19 131.7,87.44 133.221,87.44 U9.2@133.321,87.54
CAN_H: CAN1.3 R5.1 U5.7 | length 9.4
  Top Layer w0.254: U5.7@125.3,121.93 130.038,121.93 R5.1@130.2,122.092 132.192,122.092 CAN1.3@133.9,123.8
CAN_L: CAN1.1 R5.2 U5.6 | length 9.4
  Top Layer w0.254: U5.6@125.3,120.66 129.448,120.66 R5.2@130.2,119.908 131.388,118.72 CAN1.1@133.9,118.72
CAN_RX: R7.1 R8.2 U8.32 | length 7.9
  Top Layer w0.254: U8.32@122.05,111.75 122.05,113.195 121.273,113.972 121.273,117.196 121.727,117.65 122.05,117.65 R7.1@122.146,117.746 ; R7.1@122.192,117.7 R8.2@123.208,117.7
CAN_TX: U5.1 U8.33 | length 14.6
  Top Layer w0.254: U5.1@120.5,123.2 122.3,123.2 122.75,122.75 122.75,119.9 120.8,117.95 120.8,113.8 121.55,113.05 U8.33@121.55,111.75
CW/CCW: U4.5 U4.6 U4.13 U8.25 | length 45.4
  Top Layer w0.254: U4.6@101.65,88.51 101.69,88.55 103,88.55 103.25,88.8 v1(103.25,89.75) 103.235,89.765 101.665,89.765 U4.5@101.65,89.78 ; v1(104.85,93.6) 104.855,93.595 106.445,93.595 U4.13@106.45,93.59 ; U8.25@125.55,111.75 125.55,112.488 125.571,112.509 125.681,112.509 125.722,112.55 v1(126.5,112.55)
  GND w0.254: v1(103.25,89.75) 103.223,89.777 103.223,91.973 v1(104.85,93.6) 104.9,93.55 107.508,93.55 107.612,93.654 112.404,93.654 123.5,104.75 123.5,108.2 123.904,108.604 125.501,108.604 125.65,108.753 125.65,111.7 v1(126.5,112.55)